# Altium PCB back3_STM32F405.PcbDoc (part 3 of 4)
Units mil, origin at the board's own origin, x right, y up, seen from the top; angles counter-clockwise.
Board outline 3543.31 x 3543.31 mil, 4 copper layers (Top Layer, GND02, PWR03, Bottom Layer), stack 29.268 mil thick; 190 components, 150 nets, 1254 pads, 520 vias.
Unrouted connection lines stored in the file: 169.
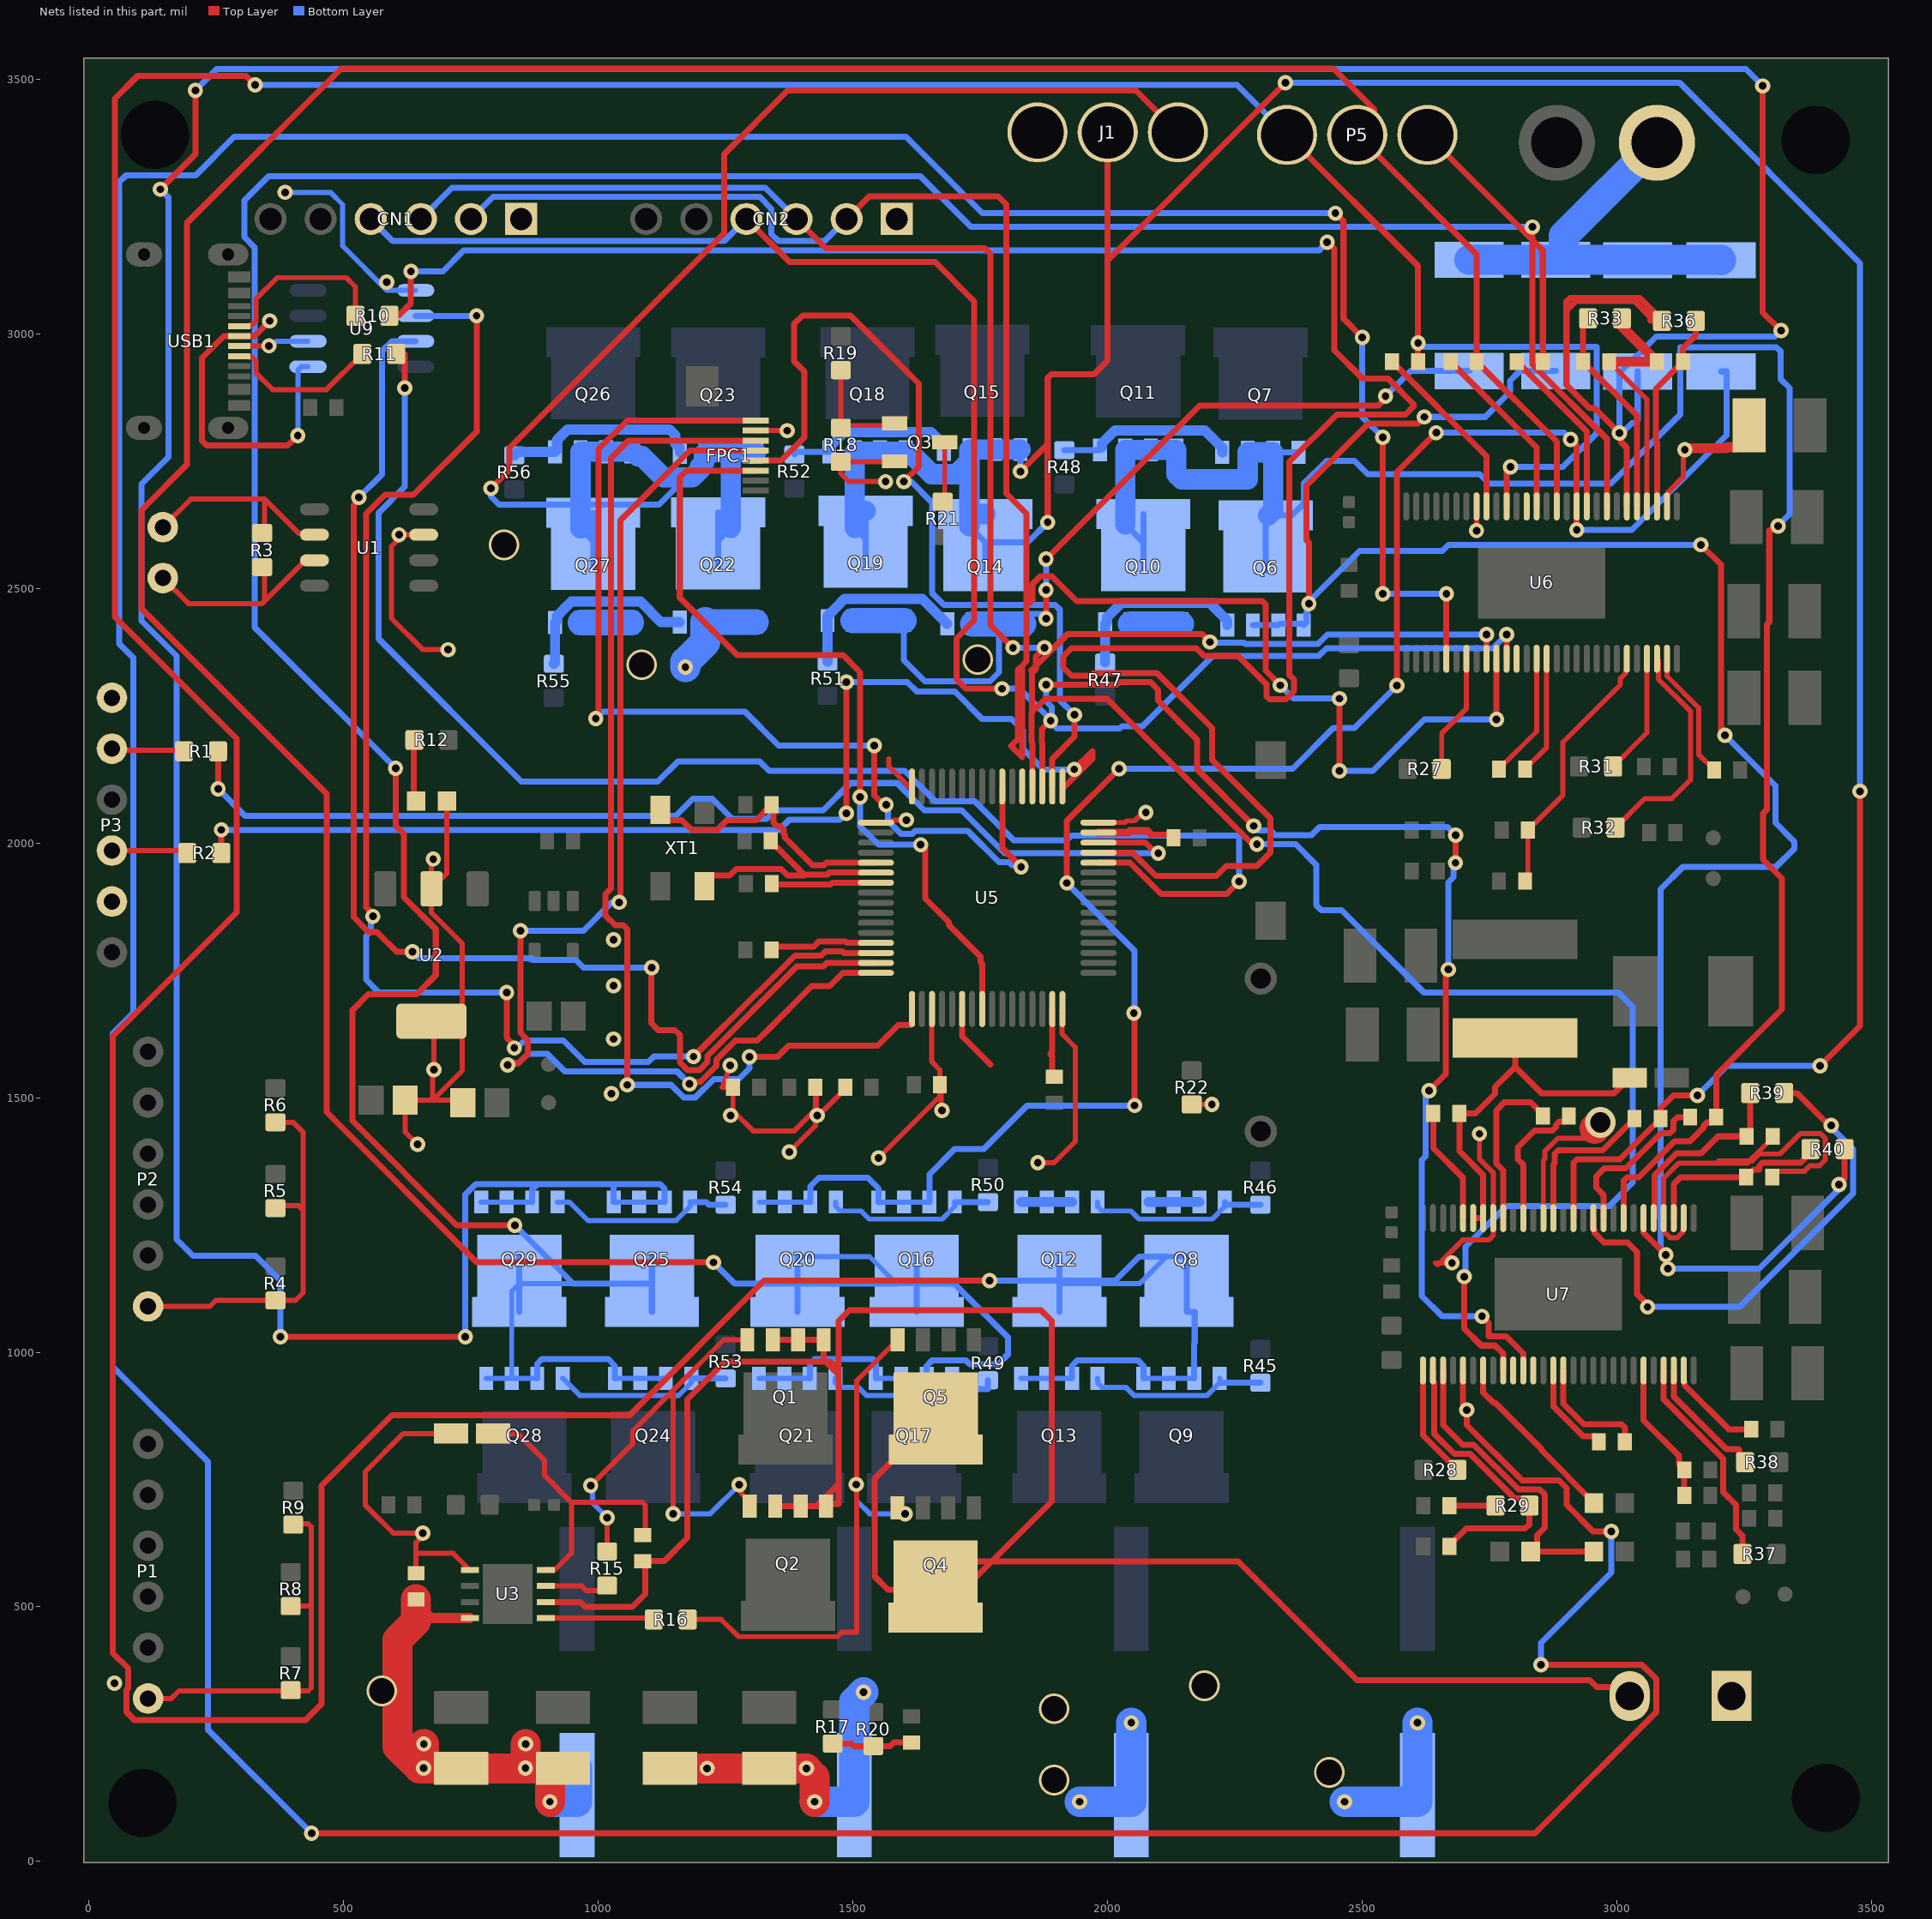
[diagram p5: the nets of this part, all layers, seen from the top]

## Via types
v1: diameter 30, hole 15, Top Layer to Bottom Layer, 458 vias
v2: diameter 27.56, hole 11.81, Top Layer to Bottom Layer, 42 vias
v3: diameter 60, hole 50, Top Layer to Bottom Layer, 18 vias
v4: diameter 30, hole 15, Top Layer to Bottom Layer, tented top, 1 vias
v5: diameter 60, hole 40, Top Layer to Bottom Layer, 1 vias

## Nets (pads, with @x,y where several pads share a name; then routed paths per layer and width w, separated by ;. In a path a pad name is that pad's centre, name@x,y a point inside that pad or via, vN(x,y) a via of type N, cw(c..) or ccw(c..) an arc to the next point about the centre after c; other vN are vias at no path point) (continued)
NetC2_1: C15.1 U5.5 XT1.3 | length 540.6
  Top Layer w11.81: XT1.3@1121.69,2064.8 1121.69,2058.78 1135.47,2045 1164.03,2045 1183.69,2025.34 1232.92,2025.34 1252.58,2045 1310,2045 C15.1@1340,2075 1343.64,2071.36 1343.64,2040 1350.56,2033.08 1356.91,2033.08 1364.03,2025.96 1364.03,2017.12 1366.9,2014.25 1366.9,2010.43 1420.84,1956.48 1443.13,1956.48 1447.91,1961.26 U5.5@1545,1961.26
NetC3_1: C13.1 U5.6 XT1.1 | length 463
  Top Layer w11.81: XT1.1@1208.31,1915.2 1208.31,1936.27 1258.34,1936.27 1270.7,1948.64 1359.3,1948.64 1371.66,1936.27 1403.99,1936.27 ; C13.1@1338.2,2004.44 1338.2,2003.94 1403.99,1938.15 1449.99,1938.15 1453.41,1941.58 U5.6@1545,1941.58
NetC4_2: C23.2 U5.47 | length 154.5
  Top Layer w11.81: 2085.57,2016.08 2123.33,2016.08 C23.2@2129.41,2010
  Top Layer w15: U5.47@1982.01,2020.32 2040.2,2020.32 2043.63,2023.74 2077.91,2023.74 2085.57,2016.08
NetC5_2: C22.2 U5.31 | length 137.6
  Top Layer w11.81: U5.31@1891.46,1673.86 1891.46,1590.1 1887.95,1586.6 1887.95,1584.61 1890.89,1581.68 1890.89,1544.7 C22.2@1895,1540.59
NetC11_2: C14.2 U5.13 | length 212.9
  Top Layer w11.81: C14.2@1340,1790 1346.61,1796.61 1422.9,1796.61 1432.72,1806.42 1485.03,1806.42 1487.67,1803.78 U5.13@1545,1803.78
NetC26_1: C31.1 R29.1 | length 90.4
  Top Layer w11.81: C31.1@2671.09,698.84 R29.1@2761.44,698.84
NetC27_1: C32.1 R29.2 U7.2 | length 585.3
  Top Layer w11.81: U7.2@2638.84,964.24 2638.84,942.58 2640.72,940.71 2640.72,840.15 2680.43,800.43 2711.5,800.43 2799.31,712.62 2816.56,712.62 2828.37,700.81 R29.2@2828.37,698.84 2828.37,662.31 2819.91,653.84 2703.96,653.84 2671.09,620.97 C32.1@2671.09,618.84
NetC30_1: C33.1 D3.K L1.1 U7.50 U7.51 | length 715.1
  Top Layer w11.81: U7.51@2717.58,1263.45 U7.50@2737.27,1263.45 2737.27,1348.17 2690.5,1394.95 C33.1@2690.5,1468.84 2721.99,1468.84 2760.95,1507.8 2760.95,1521.34 2799.91,1560.3 ; L1.1@2799.91,1616.99 2799.91,1560.3 ; D3.K@3024.91,1538.84 2994.91,1508.84 2851.36,1508.84 2799.91,1560.3
NetC30_2: C33.2 U7.52 | length 229.7
  Top Layer w11.81: C33.2@2639.32,1468.84 2639.32,1400.85 2697.9,1342.27 U7.52@2697.9,1263.45
NetC32_2: C39.2 U7.48 | length 327.9
  Top Layer w11.81: U7.48@2776.64,1263.45 2776.64,1356.62 2763,1370.26 2763,1474.99 2778.76,1490.75 2830.36,1490.75 2854.32,1466.8 C39.2@2854.32,1463.84
NetC33_2: C43.2 U7.43 | length 314.3
  Top Layer w11.81: U7.43@2875.06,1263.45 2875.06,1368.32 2877.81,1371.07 2877.81,1389.74 2884.73,1396.65 2972.13,1396.65 3023.49,1448.02 3026.44,1448.02 3034.31,1455.89 C43.2@3034.31,1458.84
NetC36_1: C41.1 U7.14 | length 190.6
  Top Layer w11.81: U7.14@2875.06,964.24 2875.06,893.5 2933.89,834.67 2956.44,834.67 2964.32,826.8 C41.1@2964.32,823.84
NetC36_2: C41.2 U7.15 | length 233.6
  Top Layer w11.81: U7.15@2894.75,964.24 2894.75,899 2934.91,858.84 3008.58,858.84 3015.5,851.92 C41.2@3015.5,823.84
NetC37_2: C51.2 U7.38 | length 330.9
  Top Layer w11.81: U7.38@2973.49,1263.45 2973.49,1308.54 2959.05,1322.98 2959.05,1345.27 2974.81,1361.03 3017.5,1361.03 3086.67,1430.2 3104.21,1430.2 3111.18,1437.18 3111.18,1454.71 3118.1,1461.63 C51.2@3143.7,1461.63
NetC38_2: C61.2 R39.2 U7.33 | length 386.2
  Top Layer w11.81: U7.33@3071.91,1263.45 3073.79,1263.45 3073.79,1347.73 3116.81,1390.75 3165.08,1390.75 3198.17,1423.84 C61.2@3254.32,1423.84 3261.44,1430.97 R39.2@3261.44,1508.84
NetC39_1: C49.1 C50.1 U7.23 | length 278.4
  Top Layer w11.81: U7.23@3052.23,964.24 3052.23,866.47 3121.44,797.26 3121.44,779.43 C50.1@3132.03,768.84 C49.1@3132.03,718.84
NetC41_2: C60.2 R40.2 U7.31 | length 372.2
  Top Layer w11.81: U7.31@3111.28,1263.45 3111.28,1330.22 3124.91,1343.84 C60.2@3253.73,1343.84 3268.73,1358.84 3279.22,1358.84 3279.22,1365.51 3286.2,1372.48 3361.18,1372.48 3368.1,1379.4 3368.1,1387.03 R40.2@3379.91,1398.84
NetC43_2: C64.2 U7.27 | length 196.5
  Top Layer w11.81: U7.27@3130.97,964.24 3130.97,942.58 3132.84,940.71 3132.84,935.21 3219.21,848.84 C64.2@3263.73,848.84
NetC50_2: C28.2 U6.48 | length 361.1
  Top Layer w11.81: C28.2@2558.33,2945.01 2743.81,2759.54 U6.48@2743.81,2660.78
NetC51_2: C34.2 U6.43 | length 354.2
  Top Layer w11.81: C34.2@2673.34,2945.01 2842.23,2776.11 U6.43@2842.23,2660.78
NetC54_1: C36.1 U6.14 | length 247.2
  Top Layer w10: C36.1@2768.34,2145.01 2842.23,2218.9 U6.14@2842.23,2361.57
NetC54_2: C36.2 U6.15 | length 234.1
  Top Layer w10: C36.2@2819.52,2145.01 2861.92,2187.41 U6.15@2861.92,2361.57
NetC55_2: C38.2 U6.38 | length 341.1
  Top Layer w11.81: C38.2@2803.34,2945.01 2940.66,2807.69 U6.38@2940.66,2660.78
NetC56_2: C40.2 R33.2 U6.33 | length 417.1
  Top Layer w11.81: R33.2@2943.07,3030 2933.33,3020.26 C40.2@2933.33,2945.01 3039.08,2839.26 U6.33@3039.08,2660.78
NetC57_1: C35.1 C37.1 U6.23 | length 521.1
  Top Layer w10: C35.1@2819.52,1925.01 2825.11,1930.6 C37.1@2825.11,2025.01 2825.11,2027.96 2833.89,2036.74 2836.84,2036.74 2893.93,2093.83 2893.93,2197.91 3006.72,2310.7 3006.72,2323.01 3016.62,2332.91 3016.62,2336.65 3019.4,2339.43 U6.23@3019.4,2361.57
NetC59_2: C46.2 R36.2 U6.31 | length 397.8
  Top Layer w11.81: U6.31@3078.45,2660.78 3078.45,2785.97 3076.23,2788.19 3076.23,2891.73 C46.2@3129.51,2945.01 3129.51,2971.39 3155,2996.88 R36.2@3155,3025
NetC61_2: C52.2 U6.27 | length 256.9
  Top Layer w10: U6.27@3098.14,2361.57 3098.14,2327.44 3160.3,2265.28 3160.3,2173.68 C52.2@3190.86,2143.12
NetC67_1: C10.1 Q1.S Q2.S Q4.D Q5.D U3.6 U8.2 | length 5331
  Top Layer w11.81: U3.6@896.81,509.5 965.25,509.5 974.5,500.25 1067.2,500.25 1092.2,525.25 1092.2,584.66 C10.1@1087.2,589.66 1128.99,589.66 1174.99,635.66 1174.99,907.39 1248.99,981.39 1455.99,981.39 1471.99,965.39 ; Q1.S@1342.48,1024.34 Q1.S@1392.48,1024.34 Q1.S@1442.48,1024.34 1442.48,984.88 1471.9,955.46 1471.9,702.25 1442.48,702.25 Q2.S@1447.2,697.53 ; Q2.S@1347.2,697.53 Q2.S@1397.2,697.53 ; Q4.D@1662.2,478.79 Q4.D@1662.2,533.91 ; Q4.D@1662.2,587.06 Q4.D@1662.2,533.91 ; Q5.D@1662.48,808.79 Q5.D@1662.48,863.91 ; Q5.D@1662.48,917.06 Q5.D@1662.48,863.91 ; U8.2@3025,325 3007.35,342.65 2960.22,342.65 2947.01,355.86 2489.53,355.86 2256.27,589.12 1717.41,589.12 Q4.D@1662.2,533.91 ; Q2.S@1397.2,697.53 Q2.S@1447.2,697.53 ; Q2.S@1397.2,697.53 1428.13,697.53 1471.99,741.39 ; Q2.S@1447.2,697.53 1447.2,702.39 1471.99,702.39 1471.99,741.39 ; 1471.99,741.39 1471.99,965.39 ; 1471.99,965.39 1471.99,1061.39 1493.18,1082.58 1868.8,1082.58 1889.99,1061.39 1889.99,706.91 1716.99,533.91 Q4.D@1662.2,533.91 ; Q4.D@1662.2,533.91 1568.54,533.91 1542.2,560.25 1542.2,751.51 1599.49,808.79 1607.36,808.79 Q5.D@1662.48,863.91
NetC67_2: C10.2 D2.K U3.8 | length 599
  Top Layer w10: D2.K@793.54,840.25 842.01,840.25 894.6,787.65 894.6,757.85 947.2,705.25 ; U3.8@896.81,572.49 897.71,573.4 915.35,573.4 947.2,605.25 947.2,705.25 ; C10.2@1087.2,640.84 1092.2,645.84 1092.2,699.39 1086.34,705.25 947.2,705.25
NetD1_K: D1.K R12.2 | length 122.6
  Top Layer w11.81: R12.2@638.93,2202.14 637.39,2200.6 637.39,2086.82 D1.K@642.08,2082.14
NetP1_3: P3.3 R2.1 | length 150.1
  Top Layer w10: P3.3@45,1985 188.07,1985 R2.1@193.07,1980
NetP1_5: P3.5 R1.1 | length 143.6
  Top Layer w10: P3.5@45,2185 48.07,2181.93 184.6,2181.93 R1.1@186.53,2180
NetP2_1: P4.1 R3.2 U1.7 | length 422.2
  Top Layer w10: P4.1@145,2520 195,2470 340,2470 345,2475 ; R3.2@340,2541.54 345,2536.54 345,2475 ; U1.7@442.71,2555 425,2555 345,2475
NetP2_2: P4.2 R3.1 U1.6 | length 418.1
  Top Layer w10: P4.2@145,2620 200,2675 345,2675 ; R3.1@340,2608.46 345,2613.46 345,2675 ; U1.6@442.71,2605 440.11,2607.61 412.39,2607.61 345,2675
NetQ1_1: Q3.1 R18.1 R19.2 | length 222.6
  Top Layer w10: R19.2@1476.02,2928.17 R18.1@1476.03,2815.1 1480.49,2819.56 1577.34,2819.56 Q3.1@1581.81,2824.03
NetQ1_3: Q3.3 R21.2 | length 118.3
  Top Layer w10: R21.2@1676.02,2670.1 1680.24,2674.31 Q3.3@1680.24,2786.63
NetQ2_G: Q23.G Q26.G R56.1 | length 390.2
  Bottom Layer w20: R56.1@835,2761.03 842.05,2768.07 Q26.G@915,2768.07 918.78,2771.85 918.78,2790.65 939.86,2811.73 1139.58,2811.73 1151.3,2800.01 1151.3,2784.1 1160,2775.39 Q23.G@1160,2766.54
NetQ4_G: Q15.G Q18.G R52.1 | length 346.4
  Bottom Layer w11.81: R52.1@1385,2762.56 1390.51,2768.07 Q18.G@1453.33,2768.07 ; Q18.G@1457.11,2773.35 1453.33,2773.35 Q18.G@1453.33,2768.07 ; Q18.G@1458.61,2773.35 Q18.G@1453.33,2768.07 ; Q15.G@1670.9,2789.17 1678.78,2781.3 Q15.G@1678.78,2772.44
  Bottom Layer w20: Q18.G@1457.11,2773.35 1457.11,2780.71 1471.25,2794.85 1471.25,2795.04 1482.93,2806.71 1653.37,2806.71 Q15.G@1670.9,2789.17
NetQ6_G: Q7.G Q11.G R48.1 | length 364.3
  Bottom Layer w11.81: R48.1@1915,2771.03 1915.51,2771.54 Q11.G@1984.73,2771.54 ; Q11.G@1988.5,2776.81 1984.73,2776.81 Q11.G@1984.73,2771.54 ; Q11.G@1990,2776.81 Q11.G@1984.73,2771.54
  Bottom Layer w20: Q11.G@1988.5,2776.81 1988.5,2784.17 2002.65,2798.32 2002.65,2798.5 2014.32,2810.17 2190.5,2810.17 2225,2775.67 Q7.G@2225,2766.81
NetQ8_G: Q6.G Q10.G R47.1 | length 365.8
  Bottom Layer w20: R47.1@1995,2354.1 Q10.G@1995,2430 1998.78,2433.78 1998.78,2442.64 2012.92,2456.78 2012.92,2456.97 2026.96,2471 2207.86,2471 2207.86,2463.44 2235,2436.3 Q6.G@2235,2427.44
NetQ10_G: Q14.G Q19.G R51.1 | length 358.8
  Bottom Layer w20: R51.1@1450,2356.03 1450,2445.39 1467.92,2463.32 1467.92,2463.5 1483.52,2479.1 1635.9,2479.1 Q14.G@1685,2430
NetQ12_G: Q22.G Q27.G R55.1 | length 365.9
  Bottom Layer w20: R55.1@912.79,2351.59 915,2353.8 Q27.G@915,2432.69 918.78,2436.47 918.78,2445.33 932.92,2459.47 932.92,2459.65 946.95,2473.69 1083.04,2473.69 1123.18,2433.54 Q22.G@1160,2433.54
NetQ14_G: Q9.G Q13.G R45.1 | length 358.5
  Bottom Layer w10: Q13.G@1980,948.98 1980,940.12 1988.78,931.34 2035.66,931.34 2051.66,915.34 2195.22,915.34 2220,940.12 Q9.G@2220,948.98
  Bottom Layer w11.81: Q9.G@2220,940.12 2220,939.88 R45.1@2300,939.88
NetQ16_G: Q17.G Q21.G R49.1 | length 368.2
  Bottom Layer w10: Q21.G@1465.28,948.97 1465.28,940.12 1474.05,931.34 1510.39,931.34 1526.39,915.34 1669.94,915.34 1694.72,940.12 Q17.G@1694.72,948.97
  Bottom Layer w11.81: Q17.G@1694.72,940.12 1694.72,927.39 1765,927.39 R49.1@1765,944.88
NetQ18_G: Q24.G Q28.G R53.1 | length 353.3
  Bottom Layer w10: Q28.G@930,948.98 963.64,915.34 1157.87,915.34 1182.65,940.12 Q24.G@1182.65,948.97
  Bottom Layer w11.81: Q24.G@1182.65,948.97 1215.99,948.97 1216.62,948.35 R53.1@1250,948.35
NetQ20_G: Q25.G Q29.G R54.1 | length 367.7
  Bottom Layer w10: Q29.G@920,1295 943.34,1295 980,1258.35 1152.48,1258.35 1180.27,1286.14 Q25.G@1180.27,1295
  Bottom Layer w11.81: Q25.G@1180.27,1295 1211.99,1295 1217.11,1289.88 R54.1@1250,1289.88
NetQ22_G: Q16.G Q20.G R50.1 | length 337.1
  Bottom Layer w10: Q20.G@1466.22,1295 1466.22,1286.14 1475,1277.36 1515.66,1277.36 1531.66,1261.36 1675.22,1261.36 1700,1286.14 Q16.G@1700,1295
  Bottom Layer w11.81: Q16.G@1700,1295 1731.99,1295 1732.11,1294.88 R50.1@1765,1294.88
NetQ24_G: Q8.G Q12.G R46.1 | length 363.1
  Bottom Layer w10: Q12.G@1980.27,1295 1980.27,1286.14 1989.05,1277.36 2045.66,1277.36 2061.66,1261.36 2205.22,1261.36 2230,1286.14 Q8.G@2230,1295
  Bottom Layer w11.81: Q8.G@2230,1295 2230,1289.88 R46.1@2300,1289.88
NetQ26_G: Q1.G Q2.G R15.1 | length 1029.9
  Top Layer w10: v1(985,738.01) 1068.01,821.03 1068.01,846.06 1147.2,925.25 ; R15.1@1017.2,608.71 v1(1017.2,675.25) ; v1(1147.2,682.9) 1147.2,925.25 ; v1(1276.76,740) 1280.58,736.17 1280.58,723.01 1297.2,706.39 Q2.G@1297.2,697.53 ; Q1.G@1292.48,1024.34 1246.3,1024.34 1147.2,925.25
  Bottom Layer w10: v1(985,738.01) 988.83,734.19 988.83,703.62 v1(1017.2,675.25) ; v1(1147.2,682.9) 1219.65,682.9 v1(1276.76,740)
NetQ28_G: Q4.G Q5.G R16.1 | length 1115
  Top Layer w10: R16.1@1175.67,475.25 1241.33,475.25 1275.13,441.45 1469.28,441.45 1478.07,450.25 1507.2,450.25 1507.2,739.25 v1(1506.21,740.25) ; v1@1507.2,740.25 1507.2,944.07 Q5.G@1587.48,1024.34 ; Q4.G@1587.2,694.34 1590.98,694.34 v1(1602.42,682.9)
  Bottom Layer w10: v1(1506.21,740.25) 1507.2,739.25 1507.2,708.34 1532.65,682.9 v1(1602.42,682.9)
NetR3_1: R10.1 USB1.5 | length 357.6
  Top Layer w10: USB1.5@295,3014.68 295.9,3015.59 315.64,3015.59 317.51,3017.45 321.21,3017.45 327.65,3023.9 327.65,3067.65 370,3110 505,3110 523.07,3091.93 R10.1@523.07,3035
NetR6_1: R11.1 USB1.8 | length 311.4
  Top Layer w10: USB1.8@295,2955.63 295.9,2954.72 315.63,2954.72 317.51,2952.85 321.21,2952.85 327.65,2946.4 327.65,2922.98 360.63,2890 466.54,2890 R11.1@536.53,2960
NetR21_1: R28.1 U7.1 | length 224.6
  Top Layer w11.81: U7.1@2619.16,964.24 2619.16,836.52 2673.06,782.62 2675.03,782.62 2686.84,770.81 R28.1@2686.84,768.84
NetR22_1: R30.1 R34.2 U7.3 | length 610.4
  Top Layer w11.81: U7.3@2658.53,964.24 2658.53,857.17 2697.45,818.24 2718.87,818.24 2806.68,730.43 2848.43,730.43 2857.99,720.87 2857.99,655.4 2842.94,640.34 2842.94,621.24 R30.1@2830.54,608.84 R34.2@2954.59,608.84
NetR28_1: R35.1 U7.7 | length 352.4
  Top Layer w11.81: U7.7@2737.27,964.24 2737.27,921.17 2757.68,900.75 2761.05,900.75 2851.62,810.18 2851.62,807.8 2954.59,704.83 R35.1@2954.59,703.84
NetR31_1: R37.1 U7.25 | length 424.5
  Top Layer w11.81: U7.25@3091.6,964.24 3091.6,907.8 3208.9,790.51 3208.9,724.74 3233.63,700.01 3233.63,652.18 3246.44,639.37 R37.1@3246.44,603.84
NetR32_1: R38.1 U7.26 | length 252.6
  Top Layer w11.81: U7.26@3111.28,964.24 3111.28,913.31 3214.47,810.12 3238.63,810.12 3239.63,809.12 3239.63,795.65 R38.1@3251.44,783.84
NetR43_1: R27.1 U6.7 | length 236.7
  Top Layer w10: R27.1@2655.85,2145.01 2655.85,2215.4 2704.44,2263.99 U6.7@2704.44,2361.57
NetR46_1: R31.1 U6.25 | length 239.1
  Top Layer w10: R31.1@2992.39,2150.01 3058.77,2216.39 U6.25@3058.77,2361.57
NetR47_1: R32.1 U6.26 | length 450.8
  Top Layer w10: R32.1@2997.39,2030.01 3054.12,2086.74 3107.31,2086.74 3144.3,2123.72 3144.3,2258.65 3081.23,2321.72 3081.23,2358.79 U6.26@3078.45,2361.57
NetR54_2: R15.2 U3.7 | length 128
  Top Layer w10: U3.7@896.81,541 967.25,541 976.08,532.17 1007.58,532.17 R15.2@1017.2,541.78
NetR56_2: R16.2 U3.5 | length 213.1
  Top Layer w10: U3.5@896.81,478 1105.98,478 R16.2@1108.74,475.25
NetU2_1: U9.1 USB1.6 | length 749.4
  Top Layer w10: USB1.6@295,2995 295.9,2995.91 325.9,2995.91 v1(355,3025)
  Top Layer w11.81: v1(355,3025) 325.39,2995.39 264.99,2995.39 221.99,2952.39 221.99,2789.39 230.99,2780.39 390.39,2780.39 v1(410,2800)
  Bottom Layer w10: v1(410,2800) 410,2928.16 416.84,2935 U9.1@430,2935
NetU2_2: U9.2 USB1.7 | length 139
  Top Layer w10: USB1.7@295,2975.31 295.69,2976 v1(353.39,2976)
  Bottom Layer w10: v1(353.39,2976) 358.81,2976 367.81,2985 U9.2@430,2985
NetU6_12: U7.12
NetU7_12: U6.12
nRST_1: C17.2 P3.6 U5.7 | length 206.5
  Top Layer w11.81: C17.2@1340.59,1920 1342.13,1918.46 1455.49,1918.46 1458.92,1921.89 U5.7@1545,1921.89
OCTW_1: U6.5 U7.5 | length 10817.2
  Top Layer w11.81: v1(436.99,55.39) 2838.99,55.39 3076.99,293.39 3076.99,358.39 3048.99,386.39 v1(2850.8,386.39) ; v1(2447.09,3236.39) 2463.09,3220.39 2463.09,3029.28 v1(2499.99,2992.39) ; v1(2539.99,2489.39) v1(2539.99,2796.39) ; U6.5@2665.07,2361.57 v1(2665.07,2489.39) ; U7.5@2697.9,964.24 2697.9,898.82 2705.12,891.6 v1(2705.12,886.68) 2705.12,857.19 2814.06,748.25 2885.98,748.25 2900.99,733.24 2900.99,700.39 2952.99,648.39 v1(2988.99,648.39)
  Bottom Layer w11.81: v1(436.99,55.39) 233.99,258.39 233.99,784.39 46.99,971.39 46.99,1626.39 86.99,1666.39 86.99,2363.39 58.99,2391.39 58.99,3296.98 72.4,3310.39 208.99,3310.39 284.99,3386.39 1603.99,3386.39 1753.99,3236.39 v1(2447.09,3236.39) ; v1(2499.99,2992.39) 2499.99,2836.39 v1(2539.99,2796.39) ; v1(2539.99,2489.39) v1(2665.07,2489.39) ; v1(2850.8,386.39) 2850.8,429.39 2988.99,567.58 v1(2988.99,648.39)
PGND: C4.1 C5.1 C8.2 C11.1 C16.1 C40.1 C46.1 C59.1 C60.1 C61.1 C65.2 C66.2 C67.2 C68.2 P6.2 Q8.S Q12.S Q22.S Q27.S R33.1 R41.1 R42.1 R43.1 R44.1 U3.4 U6.30 U6.32 U6.44 U7.30 U7.32 U7.44 U8.1 | length 5807
  Top Layer w10: U7.44@2855.38,1263.45 2855.38,1376.63 2858.16,1379.41 2858.16,1394.12 2884.04,1420 2943.39,1420 2954.74,1431.35 v5@2957.69,1428.4 ; C40.1@2984.52,2945.01 3058.77,2870.76 U6.32@3058.77,2660.78 ; U7.32@3091.6,1263.45 3091.6,1341.6 3121.58,1371.58 3199.23,1371.58 3235.39,1371.58 3256.18,1371.58 3262.95,1378.35 3278.45,1393.84 3305.5,1420.89 C61.1@3305.5,1423.84 ; U7.32@3091.95,1262.96 3091.95,1240.96 3091.95,1237.23 3104.28,1224.89 3118.29,1224.89 3128.19,1234.79 3128.19,1238.53 3130.62,1240.96 3130.62,1262.96 U7.30@3130.13,1263.45 ; U6.30@3098.14,2660.78 3098.14,2682.93 3100.92,2685.71 3100.92,2689.44 3130,2718.52 3130,2768.83 v1(3133.09,2771.91) ; 3199.23,1375.75 3235.39,1375.75 3256.18,1375.75 3265.56,1375.75 3279.19,1389.39 3320.09,1389.39 3360.23,1429.53 3399.59,1429.53 3408.62,1420.49 3408.62,1377.2 3397.81,1366.39 3378.99,1366.39 3368.18,1355.58 3296.13,1355.58 3296.13,1352.62 C60.1@3304.91,1343.84
  Top Layer w20: C4.1@642.2,514.66 645.15,514.66 660.09,499.72 660.09,489.72 671.81,478 U3.4@747.59,478 ; C40.1@2984.52,2945.01 C46.1@3078.33,2945.01 3001.67,3021.67 R33.1@3010,3030 ; v1(3133.09,2771.91) 3139.62,2771.91 3142.71,2775 3214.43,2775 3216.3,2776.86 3237.26,2776.86 3259.45,2799.05 C59.1@3259.45,2820.01
  Top Layer w59.06: C4.1@642.2,514.66 642.2,471.39 605.99,435.18 605.99,234.39 ; v1(656.99,183.39) 605.99,234.39 ; v1(657.43,230.92) 657.43,197.39 v1@671.9,182.92 ; v1(857.43,230.92) 857.43,197.39 v1@871.9,182.92 ; v1(904.99,117.39) C8.2@904.99,182.92 ; C11.1@1140.58,182.92 v1(1213.73,182.92) C16.1@1335.58,182.92 ; v1(1408.73,182.92) C16.1@1335.58,182.92 ; v1(1424.99,117.39) 1424.99,165.39 1407.46,182.92 C16.1@1335.58,182.92 ; v5@2955.82,1438.94 2955.82,1439.61 v5(2967.48,1451.27) ; 605.99,234.39 605.99,225.92 648.99,182.92 v1@671.9,182.92 ; v1@671.9,182.92 C5.1@730.58,182.92 v1@871.9,182.92 ; v1@871.9,182.92 C8.2@930.58,182.92 C8.2@904.99,182.92 ; v1@871.9,182.92 C8.2@904.99,182.92
  Bottom Layer w20: Q12.S@1830.27,1295 Q12.S@1880.27,1295 Q12.S@1930.27,1295 ; Q8.S@2080,1295 Q8.S@2130,1295 Q8.S@2180,1295
  Bottom Layer w50: Q27.S@965,2432.69 Q27.S@1015,2432.69 Q27.S@1065,2432.69 ; Q22.S@1210,2433.54 Q22.S@1260,2433.54 Q22.S@1310,2433.54
  Bottom Layer w59.06: v1(856.99,183.39) 958.33,183.39 C68.2@958.33,130.34 958.33,117.39 v1(904.99,117.39) ; v1(1170.99,2345.39) 1170.99,2355.39 1210,2394.4 Q22.S@1210,2433.54 ; v1(1424.99,117.39) 1502.61,117.39 C67.2@1502.61,130.34 1502.61,314.37 v1(1520.58,332.33) ; v1(1944.99,117.39) 2046.43,117.39 C66.2@2046.43,130.34 v1(2046.43,272.39) ; v1(2464.99,117.39) 2608.33,117.39 C65.2@2608.33,130.34 v1(2608.33,272.39) ; R44.1@2710,3145 R43.1@2880,3145 ; P6.2@3078.43,3375 2895.36,3191.93 2895.36,3146.95 2893.41,3145 R43.1@2880,3145 ; R41.1@3204.39,3144.13 3203.95,3144.56 2880.44,3144.56 R43.1@2880,3145
  other v3: 1895,160 2435,175 1895,300 575,335 2190,345 1085,2350 1745,2360 815,2585
RXD_1: U5.15 U9.7 | length 2548.6
  Top Layer w11.81: v1(529.99,2678.39) 529.99,2673.47 520,2663.48 520,1854.19 548.91,1825.28 565.51,1825.28 604.4,1786.39 v1(634.99,1786.39) ; v1(1105,1755) 1103.99,1753.99 1103.99,1646.39 1117.89,1632.48 1150.29,1632.48 1160.08,1622.69 1160.08,1569.34 1175.84,1553.58 1198.13,1553.58 1214.27,1569.72 1214.27,1581.91 1389.6,1757.24 1441.31,1757.24 1448.49,1764.41 U5.15@1545,1764.41
  Bottom Layer w11.81: v1(529.99,2678.39) 574.99,2723.39 574.99,2965.39 594.6,2985 U9.7@641.22,2985 ; v1(634.99,1786.39) 647.99,1773.39 869.99,1773.39 873.18,1770.2 955.99,1770.2 971.19,1755 v1(1105,1755)
SH_A_2: C39.1 J1.1 Q22.D Q23.S Q26.S Q27.D U7.46 | length 3516.6
  Top Layer w11.81: v1(788.99,2696.39) 825.14,2732.54 825.14,2775.44 1246.99,3197.3 1246.99,3352.39 1371.99,3477.39 2055.42,3477.39 J1.1@2137.81,3395 ; U7.46@2816.01,1263.45 2816.01,1368.28 2805.25,1379.03 2805.25,1402.29 2838.17,1435.21 2873.03,1435.21 2880,1442.18 2880,1446.1 2886.92,1453.02 2897.62,1453.02 2905.5,1460.89 C39.1@2905.5,1463.84
  Bottom Layer w11.81: v1(788.99,2696.39) 788.99,2680.39 804.99,2664.39 965,2664.39 1118.99,2664.39 1178.52,2723.92 ; Q27.D@965,2618.12 Q27.D@990,2593.12 ; Q27.D@990,2539.97 Q27.D@990,2593.12 ; Q27.D@990,2648.24 Q27.D@990,2593.12 ; Q22.D@1235,2540.83 Q22.D@1235,2593.98 ; Q22.D@1235,2649.1 Q22.D@1235,2593.98 ; Q22.D@1260,2618.98 Q22.D@1235,2593.98
  Bottom Layer w40: Q27.D@965,2618.12 965,2664.39 Q26.S@965,2768.07 Q26.S@1015,2768.07 1068.58,2768.07 1077.44,2759.21 1085.79,2759.21 1127.1,2717.9 1184.55,2717.9 1199.78,2733.13 1199.78,2739.39 1207.36,2746.97 1207.36,2763.9 Q23.S@1210,2766.54 Q23.S@1260,2766.54 ; Q22.D@1260,2618.98 1260,2649.1 Q23.S@1260,2766.54 ; Q23.S@1310,2766.54 Q23.S@1260,2766.54